# Altium PCB mib-pcb0009.PcbDoc (part 1 of 2) (continued)
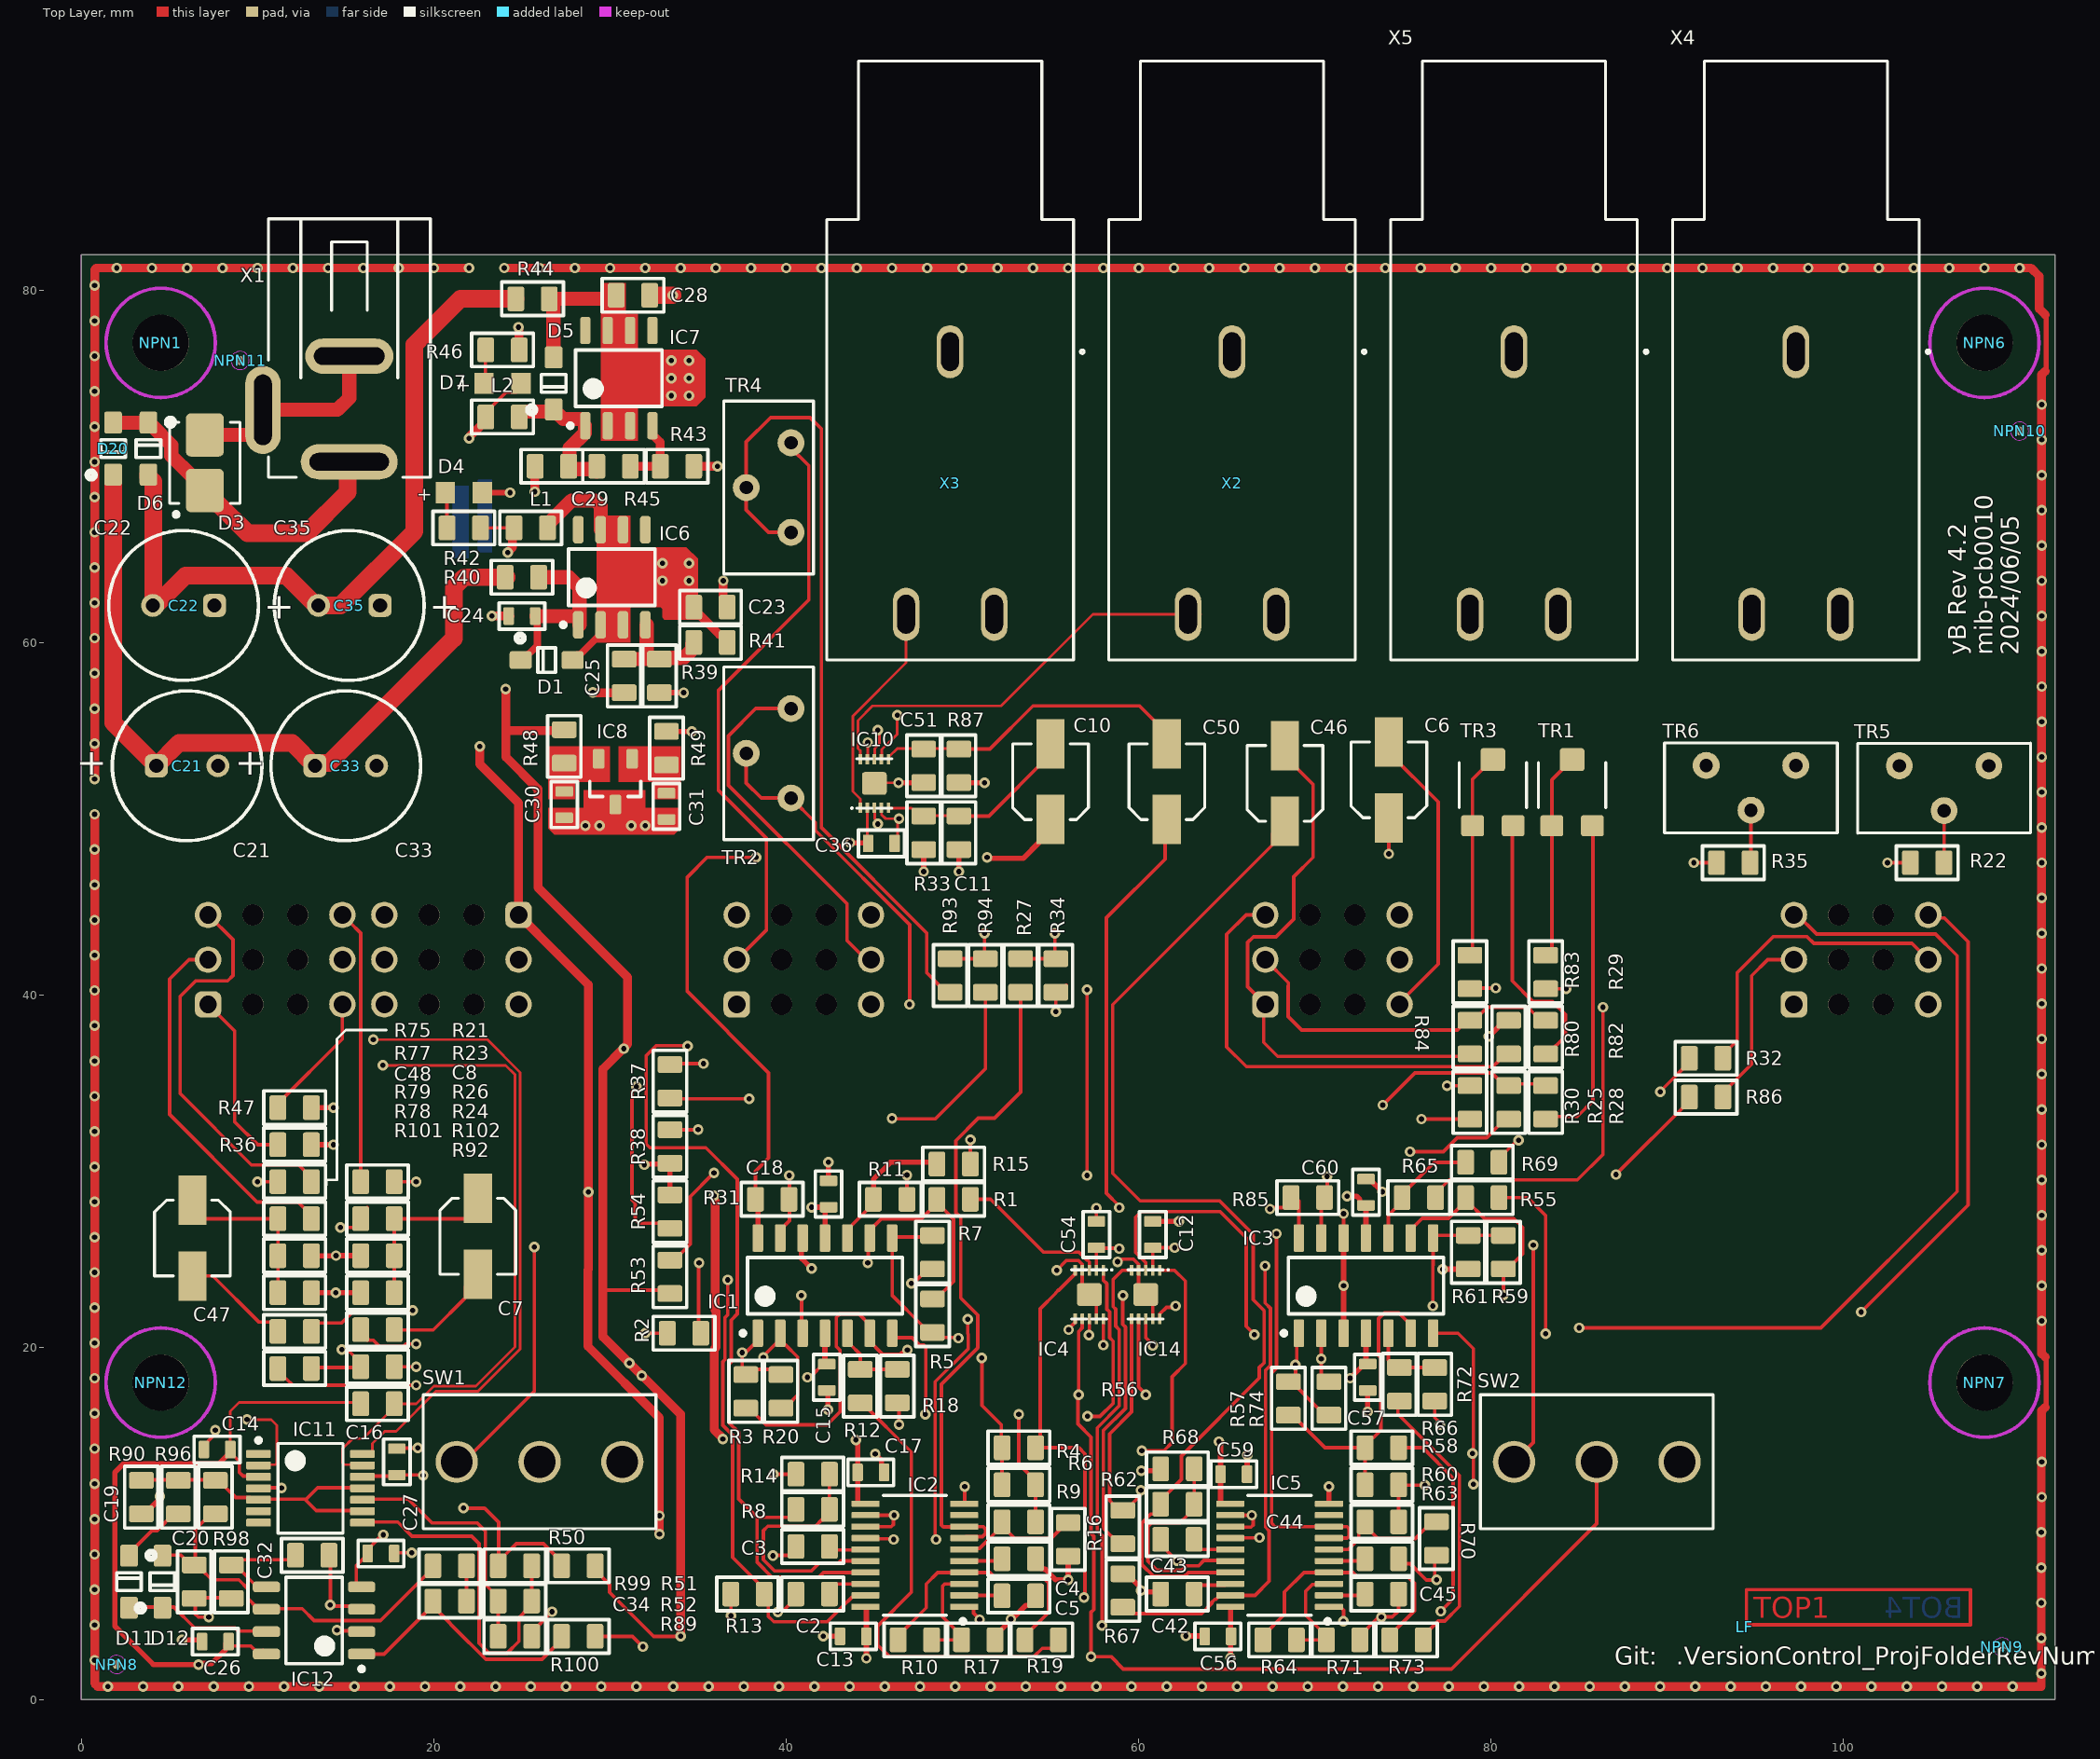
[diagram p0: Top Layer view]
## Footprints (in the part's own frame and the unit in brackets; to place one, negate y for a bottom-side part, rotate by r counter-clockwise, add the part's x,y. Pads: shape width x height; smd on the part's side, far side on the other; paste and mask are expansions set on the pad) (continued)
  rrect50% 1.55x0.6 smd: 1(-2.7,1.905) 2(-2.7,0.635) 3(-2.7,-0.635) 4(-2.7,-1.905) 5(2.7,-1.905) 6(2.7,-0.635) 7(2.7,0.635) 8(2.7,1.905)
  silkscreen extent -2.82,-2.45 1.6,2.88, body extent -3.02,-2.45 3.02,2.45, height 1.6
SOIC127P600X175-14N [mm] "SOIC, 14-Leads, Body 8,65x3,90mm, Pitch 1,27mm, IPC Medium Density"
  rrect25% 1.55x0.6 smd: 1(-2.7,3.81) 2(-2.7,2.54) 3(-2.7,1.27) 4(-2.7,0) 5(-2.7,-1.27) 6(-2.7,-2.54) 7(-2.7,-3.81) 8(2.7,-3.81) 9(2.7,-2.54) 10(2.7,-1.27) 11(2.7,0) 12(2.7,1.27) 13(2.7,2.54) 14(2.7,3.81)
  silkscreen extent -2.82,-4.4 1.6,4.78, body extent -3,-4.4 3,4.4, height 1.75
SOP65P650-20N [mm] "SOP, 16-Leads, Body 5x4.5mm, Pitch 0.65mm"
  rrect25% 1.6x0.35 smd mask+0.05: 1(-2.8,2.925) 2(-2.8,2.275) 3(-2.8,1.625) 4(-2.8,0.975) 5(-2.8,0.325) 6(-2.8,-0.325) 7(-2.8,-0.975) 8(-2.8,-1.625) 9(-2.8,-2.275) 10(-2.8,-2.925) 11(2.8,-2.925) 12(2.8,-2.275) 13(2.8,-1.625) 14(2.8,-0.975) 15(2.8,-0.325) 16(2.8,0.325) 17(2.8,0.975) 18(2.8,1.625) 19(2.8,2.275) 20(2.8,2.925)
  silkscreen extent -2.85,-3.4 1.8,3.87, body extent -2.3,-3.25 2.3,3.25, height 1.45
SOT95P280X135-3N_123 [mm] "SOT23, 3-Leads, Body 3,0x3,0mm (max), Pitch 0,95mm, IPC Medium Density"
  rrect25% 1.1x0.65 smd: 1(-1.3,0.95) 2(-1.3,-0.95) 3(1.3,0)
  silkscreen extent 0,-1.45 0.85,1.45, body extent -1.3,-1.5 1.34,1.5, height 1.08
TSOP65P640X105-14N [mm] "TSOP, 14-Leads, Body 5,00x4,40mm, Pitch 0,65mm, IPC Medium Density"
  rrect25% 1.4x0.45 smd mask+0.05: 1(-2.95,1.95) 2(-2.95,1.3) 3(-2.95,0.65) 4(-2.95,0) 5(-2.95,-0.65) 6(-2.95,-1.3) 7(-2.95,-1.95) 8(2.95,-1.95) 9(2.95,-1.3) 10(2.95,-0.65) 11(2.95,0) 12(2.95,0.65) 13(2.95,1.3) 14(2.95,1.95)
  silkscreen extent -3.07,-2.55 1.85,2.85, body extent -3.2,-2.55 3.2,2.55, height 1.05
WCAP-ATG8_D8H11.5 [mm] "Aluminum Electrolytic Capacitors, 8x11.5mm"
  round 1.3 hole 0.8: N(-1.75,0)
  rrect50% 1.3x1.3 hole 0.8: P(1.75,0)
  silkscreen extent -4.25,-4.25 4.25,4.25, body extent -3.99,-4 4,4, height 11.81
WL-SMCW_0805 [mm] "SMD Mono-color Chip LED, body 2.0x1.25mm"
  rect 1.1x1.2 smd: A(1.05,0) K(-1.05,0)
  body extent -1,-0.63 1,0.62, height 0.7

## Part data
C2 C4 C42 C44: library part CAP_1nF_630V, "Multilayer Ceramic Capacitors MLCC - SMD/SMT, C0G(NP0), 100nF", Manufacturer="Murata Electronics", Manufacturer Part Number=GRM21B5C2J102JWA3L, Tolerance=5%, Voltage Rating=630VDC, Alternatives allowed=yes
C3 C5 C43 C45: library part CAP_100nF_630V, "Multilayer Ceramic Capacitors MLCC - SMD/SMT, C0G(NP0), 1nF", Manufacturer="Murata Electronics", Manufacturer Part Number=GRM21B5C2J102JWA3L, Tolerance=5%, Voltage Rating=630VDC, Alternatives allowed=yes
C6 C7 C10 C46 C47 C50: library part CAP_4u7, "Aluminium Electrolytic Capacitors - SMD 4.7UF 16V ELECT VS BI-POLAR", Manufacturer=Panasonic, Manufacturer Part Number=EEE-1CA4R7NR, Tolerance=20%, Voltage Rating=16V, Alternatives allowed=NO
C8 C48: library part CAP_100pF_0805, "Film Capacitors 100pF 50VDC 2% PPS FILM 0805", Manufacturer=Panasonic, Manufacturer Part Number=ECH-U1H101GX5, Tolerance=2%, Voltage Rating=50V, Alternatives allowed=NO
C11 C51: library part CAP_680pF_0805, "Film Capacitors 680pF 50VDC 2% PPS FILM 0805", Manufacturer=Panasonic, Manufacturer Part Number=ECH-U1H681GX5, Tolerance=2%, Voltage Rating=50V, Alternatives allowed=NO
C12 C13 C14 C15 C16 C17 C18 C24 C26 C27 C30 C31 C36 C54 C56 C57 C59 C60: library part CAP_100nF_0603, "Multilayer Ceramic Capacitors MLCC - SMD/SMT, 100nF", JLC=C14663, Manufacturer=YAGEO, Manufacturer Part Number=CC0603KRX7R9BB104, Tolerance=10%, Voltage Rating=50VDC, Alternatives allowed=yes
C19 C23 C28 C29: library part CAP_1uF_0805, "Multilayer Ceramic Capacitors MLCC - SMD/SMT, 1uF", JLC=C28323, Manufacturer="Samsung Electro-Mechanics", Manufacturer Part Number=CL21B105KBFNNNE, Tolerance=10%, Voltage Rating=50V, Alternatives allowed=yes
C20 C32 C34: library part CAP_22u_35V_0805, "SMD, 22 µF, 35 V, 0805 [metric 2012], ± 20%, X5R, C Series TDK", JLC=C45783, Manufacturer=TDK, Manufacturer Part Number=C2012X5R1V226M125AC, Tolerance=+-20%, Voltage Rating=35V, Alternatives allowed=YES, Notes="X5R, 0805"
C21 C22 C33 C35: library part "CAP_470uF, 25V", "WCAP-ATG8 Aluminum Electrolytic Capacitor, Radial, THT, D8xH11.5, 470uF, 25V", Manufacturer="Wurth Elektronik", Manufacturer Part Number=860010474013, Tolerance=20%, Voltage Rating=50V, Alternatives allowed=YES
C25: library part CAP_10uF_0805, "Multilayer Ceramic Capacitors MLCC - SMD/SMT, 10uF", JLC=C15850, Manufacturer="Samsung Electro-Mechanics", Manufacturer Part Number=CL21A106KAYNNNE, Tolerance=10%, Voltage Rating=25V, Alternatives allowed=yes
D1 D5 D6 D20: "Diodes - General Purpose, Power, Switching SURFACE MOUNT FAST SWITCHING DIODE 2A", JLC=C81598, Manufacturer="Diodes Incorporated", Package=SOD-123, Manufacturer Part Number=1N4148W-7-F
D3: library part DIO_SMBJ18CAHE3_A/I, "ESD Suppressors / TVS Diodes 600W 18V 5% SMB (DO-214AA)", Manufacturer="Vishay General Semiconductor", Voltage Rating=18V, Alternatives allowed=YES, Manufacturer Part Number=SMBJ18CAHE3_A/I
D4 D7: library part LED_0805_RED_AK, "Standard LEDs - SMD WL-SMCW SMDMono TpVw Waterclr 0805 Red", JLC=C84256, Manufacturer="Wurth Elektronik", Manufacturer Part Number=150080RS75000, Voltage Rating=2.0, Alternatives allowed=YES
D11 D12: "75V 150mA 1.25V @ 150mA 4ns SOD-123 Switching Diode RoHS", Manufacturer=ST(Semtech), Package=SOD-123, SuppliersPartNumber=C81598, Manufacturer Part Number=1N4148W, Supplier=LC
IC1 IC3: library part IC_TL074, "Operational Amplifiers - Op Amps Dual JFET Op Amp", Manufacturer="Texas Instruments", Manufacturer Part Number=TL074CDR, Alternatives allowed=NO
IC2 IC5: library part IC_SSI2140, "Voltage Controlled Multi-Mode Filter", Manufacturer="Sound Semiconductor", Alternatives allowed=NO, Manufacturer Part Number=SSI2140
IC4 IC10 IC14: library part IC_MAX14689AETB+T, "Analogue Switch ICs Ultra-Small, Low-RON, Beyond-the-Rails™, DPDT Analog Switches", Manufacturer="Maxim Integrated", Alternatives allowed=NO, Manufacturer Part Number=MAX14689AETB+T
IC6: library part IC_LM317LIDR, "Linear Voltage Regulators", Manufacturer="Texas Instruments", Alternatives allowed=NO, Manufacturer Part Number=LM317LIDR
IC7: library part IC_LM337LMX/NOPB, "IC REG LIN POS ADJ 300MA SOT25", Manufacturer="Texas Instruments", Alternatives allowed=NO, Manufacturer Part Number=LM337LMX/NOPB
IC8: library part IC_TLV76050DBZT, "PMIC - Spannungsregler - Linear Positiv Fest 1 Ausgang 100mA SOT-23-3", Manufacturer="Texas Instruments", Alternatives allowed=NO, Manufacturer Part Number=TLV76050DBZT
IC11: library part IC_LM2901PT, "Analog Comparators Lo-Pwr Quad Voltage", Manufacturer=STMicroelectronics, Alternatives allowed=NO, Manufacturer Part Number=LM2901PT
IC12: library part IC_TL072, "Operational Amplifiers - Op Amps Dual JFET Op Amp", JLC=C6961, Manufacturer="Texas Instruments", Manufacturer Part Number=TL072CDR, Alternatives allowed=NO
L1 L2: library part FB_600R_600mA_0805, "Ferrite Beads 0805 600 OHM", JLC=C1017, Lumira Part Number=MS-1042, Manufacturer="Murata Electronics", Manufacturer Part Number=BLM21AG601SN1D, Tolerance=25%, Alternatives allowed=YES
NPN1 NPN6 NPN7 NPN12: library part NPH_3.2mm_M3
NPN2 NPN3 NPN4 NPN5 NPN8 NPN9 NPN10 NPN11: library part Fiducial_1mm
NT1: "3mm NetTie", Notes="PCB connection only"
R1 R2 R3 R4 R5 R6 R7 R8 R9 R10 R19 R20 R25 R30 R31 R33 R37 R38 R50 R53 R54 R55 R56 R57 R58 R59 R60 R61 R62 R63 R64 R73 R74 R80 R84 R85 R87: library part RES_10k_0805, "Thick Film Resistors - SMD 1/8watt 10Kohms 1% 100ppm", JLC=C17414, Manufacturer="Vishay / Dale", Manufacturer Part Number=CRCW080510K0FKEA, Tolerance=1%, Voltage Rating=150V, Alternatives allowed=YES
R11 R12 R21 R28 R34 R65 R66 R75 R82 R93: library part "0805 0R (0R0) 1%", "Chip resistor", JLC=C17477, Manufacturer="Vishay / Dale", Manufacturer Part Number=CRCW08050000Z0EAC, Tolerance=1%, Alternatives allowed=YES
R13 R14 R16 R17 R67 R68 R70 R71: library part RES_200R_0805, "Thick Film Resistors - SMD 1/8watt 200ohms 1% 100ppm", JLC=C17540, Manufacturer="Vishay / Dale", Manufacturer Part Number=CRCW0805200RFKEA, Tolerance=1%, Voltage Rating=150V, Alternatives allowed=YES
R15 R18 R69 R72: library part RES_4k99_0805, "Thick Film Resistors - SMD 1/8watt 4.99Kohms 1% 100ppm", JLC=C17677, Manufacturer="Vishay / Dale", Manufacturer Part Number=CRCW08054K99FKEA, Tolerance=1%, Voltage Rating=150V, Alternatives allowed=YES
R22 R35: library part RES_200k_0805, "Thick Film Resistors - SMD 1/8watt 200Kohms 1%", JLC=C17539, Manufacturer="Vishay / Dale", Manufacturer Part Number=CRCW0805200KFKEA, Tolerance=1%, Voltage Rating=150V, Alternatives allowed=YES
R23 R36 R47 R77: library part RES_100R_0805, "Thick Film Resistors 1/8watt 100ohms 1% 100ppm", JLC=C17408, Manufacturer="Vishay / Dale", Manufacturer Part Number=CRCW0805100RFKEA, Tolerance=1%, Voltage Rating=150V, Alternatives allowed=YES
R24 R32 R51 R78 R86: library part RES_4k7_0805, "Thick Film Resistors - SMD 1/8Watt 4.7Kohms 1% Commercial Use", JLC=C17673, Manufacturer="Vishay / Dale", Manufacturer Part Number=CRCW08054K70FKEAC, Tolerance=1%, Voltage Rating=150V, Alternatives allowed=YES
R26 R79: library part RES_220k_0805, "Thick Film Resistors - SMD 1/8watt 220Kohms 1%", JLC=C17556, Manufacturer="Vishay / Dale", Manufacturer Part Number=CRCW0805220KFKEA, Tolerance=1%, Voltage Rating=150V, Alternatives allowed=YES
R27 R94: library part RES_47k_0805, "Thick Film Resistors - SMD 1/8watt 47Kohms 1%", JLC=C17713, Manufacturer="Vishay / Dale", Manufacturer Part Number=CRCW080547K0FKEB, Tolerance=1%, Voltage Rating=150V, Alternatives allowed=YES
R29 R83 R89: library part RES_1k_0805, "Thick Film Resistors - SMD 1/8watt 1Kohms 1% 100ppm", JLC=C17513, Manufacturer="Vishay / Dale", Manufacturer Part Number=CRCW08051K00FKEA, Tolerance=1%, Voltage Rating=150V, Alternatives allowed=YES
R39 R43: library part RES_1k5_0805, "Thick Film Resistors - SMD 1.5 kOhms 125 mW 0805 1% AEC-Q200", JLC=C4310, Manufacturer=YAGEO, Manufacturer Part Number=AC0805FR-071K5L, Tolerance=1%, Voltage Rating=150V, Alternatives allowed=YES
R40 R44 R48 R49: library part RES_0R_0805, "Thick Film Resistors - SMD 1/8watt ZEROohm Jumper", JLC=C17477, Manufacturer=Vishay, Manufacturer Part Number=CRCW08050000Z0EA, Tolerance=1%, Voltage Rating=150V, Alternatives allowed=YES
R41 R45: library part RES_240R_0805, "Thick Film Resistors - SMD 1/8watt 240ohms 1%", JLC=C17572, Manufacturer="Vishay / Dale", Manufacturer Part Number=CRCW0805240RFKEA, Tolerance=1%, Voltage Rating=150V, Alternatives allowed=YES
R42 R46: library part RES_1k1_0805, "Thick Film Resistors - SMD 1/8watt 1.1Kohms 1% 100ppm", Manufacturer="Vishay / Dale", Manufacturer Part Number=CRCW08051K10FKEA, Tolerance=1%, Voltage Rating=150V, Alternatives allowed=YES
R52: library part RES_1k8_0805, "Thick Film Resistors - SMD 1/8Watt 1.8Kohms 1% Commercial Use", JLC=C17398, Manufacturer="Vishay / Dale", Manufacturer Part Number=CRCW08051K80FKEAC, Tolerance=1%, Voltage Rating=150V, Alternatives allowed=YES
R90: library part RES_75R_0805, "Thick Film Resistors - SMD 75 Ohms 125 mW 0805 1%", Manufacturer=YAGEO, Manufacturer Part Number=RC0805FR-0775RL, Tolerance=1%, Voltage Rating=150V, Alternatives allowed=YES
R92: library part RES_220R_0805, "Thick Film Resistors - SMD 1/8watt 220ohms 1% 100ppm", JLC=C17557, Manufacturer="Vishay / Dale", Manufacturer Part Number=CRCW0805220RFKEA, Tolerance=1%, Voltage Rating=150V, Alternatives allowed=YES
R96: library part RES_82k_0805, "Thick Film Resistors - SMD 82 kOhms 125 mW 0805 1%", JLC=C17840, Manufacturer=YAGEO, Manufacturer Part Number=RC0805FR-0782KL, Tolerance=1%, Voltage Rating=150V, Alternatives allowed=YES
R98: library part RES_18k_0805, "Thick Film Resistors - SMD 18kOhms 1/8W 0805 1%", JLC=C17506, Manufacturer=YAGEO, Manufacturer Part Number=RC0805FR-1018KL, Tolerance=1%, Voltage Rating=150V, Alternatives allowed=YES
R99: library part RES_39k_0805, "Thick Film Resistors - SMD 39 kOhms 125 mW 0805 1%", JLC=C25826, Manufacturer=YAGEO, Manufacturer Part Number=RC0805FR-0739KL, Tolerance=1%, Voltage Rating=150V, Alternatives allowed=YES
R100 R101 R102: library part RES_100k_0805, "Thick Film Resistors - SMD 1/8watt 100Kohms 1% 100ppm", JLC=C17407, Manufacturer="Vishay / Dale", Manufacturer Part Number=CRCW0805100KFKEA, Tolerance=1%, Voltage Rating=150V, Alternatives allowed=YES
SW1 SW2: library part SW_M2012SS1W03, "Kippschalter SPDT Panelmontage", Manufacturer="NKK Switches", Alternatives allowed=NO, Manufacturer Part Number=M2012SS1W03
TR1 TR3: library part TRIM_2k_lin, "Trimmer Resistors - SMD 2.0Kohms Sealed 3mm Sngl turn", Manufacturer=Bourns, Manufacturer Part Number=PVG3A202C01R00, Tolerance=20%
TR2 TR4 TR5 TR6: library part TRIM_10k_lin_25, "10 kOhms 0.5W, 1/2W PC Pins Through Hole Trimmer Potentiometer Cermet 25.0 Turn Top Adjustment", Manufacturer=Bourns, Manufacturer Part Number=3296Y-1-103LF, Tolerance=10%
X1: "DC Power Connectors Power Jacks, Inside Contact Diameter 2mm, Outside Contact Diameter 6,5mm", Lumira Part Number=S-QMS-SPEC-32532, Manufacturer="CUI Devices", Voltage Rating=24V, Alternatives allowed=NO, Manufacturer Part Number=PJ-002AH
X2 X3 X4 X5: library part Phone_Jack_1/4_SJ-63053A, "Telefon-Steckverbinder 6.35 mm, Stereo, Right Angle, Through Hole Mount, 3 Conductors, 0 Internal Switches, Audio Jack Connector", Manufacturer="CUI Devices", Alternatives allowed=NO, Manufacturer Part Number=SJ-63053A
X6 X7 X8 X9 X10: library part CON_SOCKET_2x3_Poti, "Printbuchse, Einführung unten, Board-to-Board, 2.54 mm, 2 Reihe(n), 4 Kontakt(e), Durchsteckmontage", Manufacturer=WE, Manufacturer Part Number=613004216921, Alternatives allowed=YES

## Via types
v1: diameter 0.6, hole 0.3, Top Layer to Bottom Layer, 389 vias

## Nets (pads, with @x,y where several pads share a name; then routed paths per layer and width w, separated by ;. In a path a pad name is that pad's centre, name@x,y a point inside that pad or via, vN(x,y) a via of type N, cw(c..) or ccw(c..) an arc to the next point about the centre after c; other vN are vias at no path point)
5V0: C12.2 C36.1 C54.2 IC4.2 IC10.2 IC14.2 R49.2 SW1.1 SW2.1 | length 36.9
  Top Layer w0.15: C36.1@44.6,48.85 IC10.2@44.6,50.525
  Top Layer w0.2: SW1.1@21.3,13.5 21.7,13.5 25.7,17.5 v1(25.7,25.7) ; IC4.2@57.6,24.375 C54.2@57.6,25.65 57.625,25.625 58.875,25.625 v1(58.9,25.6) ; IC14.2@60.8,24.375 C12.2@60.8,25.65 v1(62.05,25.65) v1@62.1,25.6 ; SW2.1@81.6,13.1 81.6,13.8 82.4,14.6 v1(82.4,25.8)
  Top Layer w0.3: R49.2@33.2,54.95 v1(34.65,54.95) ; v1(43.622,48.635) 43.64,48.618 44.632,48.618 C36.1@44.65,48.6 44.5,48.75 C36.1@44.5,48.836
9V3: C13.1 C14.2 C15.2 C26.1 C56.1 C57.2 IC1.4 IC2.20 IC3.4 IC5.20 IC11.3 IC12.8 L1.2 R37.2 R42.2 R48.1 R50.2 R53.2 R92.1 TR5.1 TR6.1 | length 141.9
  Top Layer w0.15: C14.2@8.45,14.037 C14.2@8.45,14.2 8.45,16.375 8.95,16.875 15.725,16.875 R92.1@15.8,16.8
  Top Layer w0.2: C26.1@8.412,3.188 8.55,3.05 9.607,3.05 10.025,2.632 IC12.8@10.3,2.632 ; C14.2@8.45,14.037 8.965,13.523 8.965,12.91 9.179,12.696 10.004,12.696 IC11.3@10.05,12.65 ; IC12.8@10.315,2.802 IC12.8@10.68,2.436 ; R42.2@22.65,66.5 L1.2@24.4,66.5 ; R50.2@29.15,7.6 29.15,7.365 29.981,6.534 29.981,6.092 32.473,3.6 v1(34,3.6) ; 29.6,23.25 33.2,23.25 R53.2@33.4,23.05 ; R37.2@33.4,36.05 33.45,36.1 v1(35.3,36.1) ; v1(41.2,18.3) 41.277,18.377 41.427,18.377 42.1,19.05 C15.2@42.135,19.05 ; C15.2@42.285,19.05 C15.2@42.3,19.05
  Top Layer w0.3: C26.1@8.35,3.337 8.2,3.187 8.2,2.869 7.389,2.057 6.707,2.057 v1(6.65,2) 4.084,2 1.9,4.184 1.9,12.9 2.4,13.4 7.812,13.4 C14.2@8.45,14.037 ; IC1.4@42.192,20.793 42.192,19.143 C15.2@42.285,19.05 ; IC2.20@44.525,5.275 44.55,5.25 C13.1@44.55,3.6 v1(44.55,2.35) ; IC5.20@65.2,5.275 65.225,5.25 v1(65.225,2.375) ; v1(72,18.25) 72.8,19.05 C57.2@72.9,19.05 ; IC3.4@72.9,20.8 C57.2@72.9,19.05 ; C57.2@73,19.05 C57.2@72.9,19.05
  Top Layer w0.5: v1@24.1,57.325 24.094,57.319 24.094,57.26 24.1,57.254 24.1,55 ; v1(24.2,65.1) 24.2,65.127 24.469,65.396 24.469,66.169 L1.2@24.6,66.3 ; R48.1@27.4,55 24.1,55 ; v1(30.773,36.95) v1@30.773,36.969 ; v1@30.795,36.99 v1@30.773,36.969 ; v1(31.8,18.4) 29.6,20.599 29.6,23.25 29.6,35.796 v1@30.773,36.969 ; v1@31.811,18.4 34,16.211 v1(34,3.6) ; 24.1,55 24.1,53.492 25.908,51.684 25.908,46.092 30.984,41.016 30.984,37.188 30.773,36.977 v1@30.773,36.969
  PWR w0.15: v1(30.773,36.95) 31.623,36.1 v1(35.3,36.1)
  PWR w0.3: v1(6.65,2) v1@6.7,2.05
  PWR w0.5: v1(31.8,18.4) v1@31.819,18.381 ; v1(41.2,18.3) v1@41.227,18.3 ; v1@71.948,18.225 71.973,18.25 v1(72,18.25)
  Signal_2 w0.5: v1@24.075,57.377 24.075,64.948 24.2,65.073 v1(24.2,65.1)
  other v1: 31.099,19.101 24.075,57.35
12AC: D3.K D6.2 D20.1 X1.1 | length 18.8
  Top Layer w0.8: D20.1@1.8,72.475 D6.2@3.381,72.475 ; D6.2@3.8,72.475 3.8,72.35 3.9,72.25 4.05,72.25 5.1,71.2 5.1,70.593 6.242,69.45 6.325,69.45 7,68.775 D3.K@7,68.625 ; X1.1@15.101,70.151 X1.1@15.2,70.25
  Top Layer w1: D3.K@7,68.625 7,68.475 7.575,67.9 7.725,67.9 9.425,66.2 11.45,66.2 12.782,66.2 15.101,68.519 X1.1@15.101,70.151
-9V3: C16.1 C17.2 C18.1 C19.1 C27.2 C59.2 C60.1 D7.K IC1.11 IC2.11 IC3.11 IC5.11 IC11.12 IC12.4 L2.2 R38.1 R54.1 TR5.3 TR6.3 X10.1 | length 139.9
  Top Layer w0.2: IC12.4@15.6,6.442 15.6,7.62 16.05,8.07 16.05,8.337 17.075,9.362 v1(17.125,9.362) ; IC11.12@15.95,12.687 C16.1@17.904,12.687 ; C16.1@17.904,12.787 17.929,12.763 19.373,12.763 v1(19.398,12.738) ; L2.2@22.925,73.025 24.1,74.2 24.675,74.2 D7.K@24.875,74.4
  Top Layer w0.3: C19.1@3.4,10.587 3.625,10.587 v1@4.393,11.355 ; v1(31.95,30.359) 31.996,30.404 33.196,30.404 R38.1@33.4,30.2 ; R54.1@33.4,28.75 R38.1@33.4,30.2 ; R38.1@33.4,30.45 R38.1@33.4,30.2 ; v1(41.44,27.95) C18.1@42.4,27.95 ; IC1.11@42.2,26.2 42.2,27.8 42.25,27.85 C18.1@42.3,27.85 ; v1(43.95,14.75) 43.95,14.669 44.05,14.569 C17.2@44.05,12.9 44.05,11.15 44.1,11.15 44.125,11.125 IC2.11@44.5,11.125 IC2.11@44.525,11.125 ; v1(64.55,14.65) 64.55,14.569 64.65,14.469 C59.2@64.65,12.8 64.65,11.15 64.7,11.15 64.725,11.125 IC5.11@65.2,11.125 ; v1(71.825,28.575) 72.374,28.575 72.55,28.399 72.55,28.2 72.7,28.05 C60.1@72.9,28.05 IC3.11@72.9,26.4
  Top Layer w0.5: v1(22,71.575) 22.019,71.594 22.019,71.669 22.8,72.45 L2.2@22.8,72.9 ; v1(22.6,54.1) 22.6,53.1 24.81,50.89 X10.1@24.81,44.54 27,42.35 28.765,40.585 v1(28.765,28.807) 28.765,24.419 28.743,24.398 28.743,20.057 32.8,16 v1(32.8,10.442) v1(32.8,9.4) ; v1@35.975,28.321 35.975,22.084 36.025,22.034 36.025,20.004 35.9,19.879 35.9,15.327 36.4,14.827 v1(36.4,14.8)
  PWR w0.5: v1@41.413,27.95 v1(41.44,27.95) ; v1@43.925,14.775 v1(43.95,14.75) ; v1@64.523,14.65 v1(64.55,14.65)
  Signal_2 w0.3: v1(4.45,11.537) 6.625,9.362 v1(17.125,9.362) 32.762,9.362 v1(32.8,9.4)
  Signal_2 w0.5: v1(22,71.575) 22,71.548 21.6,71.148 21.6,55.1 v1(22.6,54.1)
  other v1: 35.9,28.6
BP_Output_Left_12db: IC5.4 R64.1 R73.1 | length 14.6
  Top Layer w0.2: R64.1@67.05,3.4 67.05,3.625 68.275,4.85 68.275,6.125 69.375,7.225 IC5.4@70.8,7.225 72.166,7.225 72.441,6.95 75.305,6.95 75.65,6.605 75.65,5.046 74.625,4.021 74.625,4.01 R73.1@74.415,3.8
BP_Output_Left_24dB: C46.1 IC5.17 R62.1 | length 60.6
  Top Layer w0.2: IC5.17@64.966,7.225 62.816,7.225 62.591,7 60.85,7 60.175,7.675 60.175,10.025 60.685,10.535 60.876,10.535 61.25,10.909 R62.1@61.25,11.1 61.25,11.325 62.425,12.5 62.425,13.834 66.85,18.259 66.85,18.849 67.125,19.124 67.125,22.075 66.5,22.7 66.5,26.404 64.591,28.313 60.084,28.313 58.525,29.871 58.525,39.448 67.6,48.523 67.6,49.15 C46.1@68.3,49.85
BP_Output_Right_12db: IC2.4 R10.1 R19.1 | length 14.8
  Top Layer w0.2: R10.1@46.35,3.4 46.35,3.625 47.95,5.225 47.95,6.575 48.6,7.225 50.125,7.225 51.566,7.225 51.929,6.863 54.646,6.863 54.875,6.634 54.875,4.95 53.725,3.8 R19.1@53.5,3.8
BP_Output_Right_24dB: C6.1 IC2.17 R8.1 | length 95.7
  Top Layer w0.2: v1(34.4,37.1) 34.383,37.117 32.614,37.117 32.05,36.554 32.05,31.541 32.266,31.325 35.434,31.325 37.225,29.534 37.225,21.893 36.875,21.543 36.875,19.159 36.75,19.034 36.75,15.723 37.3,15.173 37.3,11.4 38.35,10.35 ; R8.1@40.3,10.5 40.3,10.474 40.176,10.35 38.35,10.35 ; IC2.17@44.525,7.225 42.12,7.225 41.853,6.958 39.194,6.958 38.35,7.802 38.35,10.35 ; v1(74.2,48) C6.1@74.2,50.05
  Signal_2 w0.2: v1(34.4,37.1) 35.49,38.19 35.49,44.59 37.35,46.45 50.828,46.45 53.203,48.825 73.375,48.825 v1(74.2,48)
DIR_Select: IC10.7 SW1.2 | length 73
  Top Layer w0.15: IC10.7@45.425,53.395 45.425,53.92 46.292,54.787 46.292,55.864 v1(46.303,55.875)
  Signal_2 w0.2: SW1.2@26,13.5 26,16.3 25.075,17.225 16.745,17.225 16.096,17.874 16.096,23.504 34.451,41.858 34.451,52.497 39.454,57.5 44.678,57.5 v1(46.303,55.875)
F_Control_L: IC5.7 IC5.8 R94.2 | length 59.9
  Top Layer w0.2: v1@46,32.967 48.467,32.967 51.3,35.8 R94.2@51.3,40.15 ; v1(67.825,26.45) 67.825,18.834 67.55,18.559 67.55,9.992 67.717,9.825 IC5.8@70.8,9.825 71.833,9.825 71.95,9.708 71.95,9.292 71.833,9.175 IC5.7@70.8,9.175
  Signal_2 w0.2: v1(46,33) 46,29.892 46.3,29.592 46.3,29.547 47.849,27.999 51.001,27.999 52.55,26.45 v1(67.825,26.45)
F_Control_R: IC2.7 IC2.8 R27.2 | length 37.8
  Top Layer w0.2: IC2.8@50.1,9.825 50.078,9.803 48.919,9.803 48.802,9.92 48.802,17.902 50.875,19.975 50.875,21.83 49.9,22.805 49.9,27.37 49.625,27.645 49.625,31.728 50.899,33.001 51.82,33.001 53.3,34.481 R27.2@53.3,40.15 ; IC2.7@50.125,9.175 50.2,9.25 51.13,9.25 51.3,9.42 51.3,9.708 51.183,9.825 IC2.8@50.125,9.825
Filter_Feedback_Left_12dB: R66.1 R73.2 | length 15.6
  Top Layer w0.2: R66.1@74.8,16.95 74.714,16.864 74.714,16.206 78.2,12.72 78.2,5.297 77.378,4.475 77,4.475 76.518,3.993 76.518,3.818 R73.2@76.5,3.8
Filter_Feedback_Left_24dB: R65.1 R83.1 | length 27.9
  Top Layer w0.2: R65.1@76.85,28.5 76.85,28.73 77.62,29.5 84.9,29.5 86.356,30.956 v1(86.356,39.3) ; R83.1@79,40.315 79.069,40.384 v1(80.26,40.384)
  Signal_2 w0.2: v1(80.26,40.384) 81.001,41.125 85.275,41.125 86.356,40.044 v1(86.356,39.3)
Filter_Feedback_Right_12dB: R12.1 R19.2 | length 26.7
  Top Layer w0.2: R12.1@44.2,16.85 44.308,16.85 47.1,14.058 47.1,6.1 45.183,4.183 45.183,3.108 45.841,2.45 54.059,2.45 54.528,2.919 55.219,2.919 R19.2@55.5,3.2
Filter_Feedback_Right_24dB: R11.1 R29.1 | length 57.6
  Top Layer w0.2: R11.1@46.85,28.4 v1(46.85,29.775) ; v1(57.075,29.75) v1(57.075,40.3) ; R29.1@83,40.35 v1(84.256,40.35)
  Signal_2 w0.2: v1(46.85,29.775) 57.05,29.775 v1(57.075,29.75) ; v1(57.075,40.3) 57.144,40.3 62.844,46 75.153,46 77.1,44.053 77.1,40.9 78.166,39.834 83.74,39.834 v1(84.256,40.35)
Filter_Input_Left: IC3.1 R57.1 R74.1 R101.1 | length 65.3
  Top Layer w0.15: R101.1@11.15,18.692 R101.1@11.15,18.8
  Top Layer w0.2: R101.1@11.15,18.692 11.15,18.585 11.524,18.212 11.631,18.212 11.992,17.85 16.813,17.85 v1(19,17.85) ; IC3.1@69.09,20.8 68.977,20.687 68.977,19.077 v1(68.9,19) 68.9,18.424 68.526,18.05 R57.1@68.5,18.05 68.715,18.05 69.088,17.676 69.088,17.637 69.797,16.928 70.575,16.15 R74.1@70.8,16.15
  Signal_2 w0.2: v1(19,17.85) 39.049,17.85 40.049,18.85 47.655,18.85 48.005,18.5 51.473,18.5 51.973,19 v1@69.008,19
Filter_Input_Left_24db: IC14.3 R55.2 | length 42.3
  Top Layer w0.2: IC14.3@60.4,24.375 60.4,24.809 59.825,25.384 59.825,27.383 60.142,27.7 64.625,27.7 66.1,26.225 66.1,21.2 v1(66.575,20.725) ; R55.2@80.45,28.5 82.075,28.5 83.1,27.475 v1(83.1,20.775)
  Signal_2 w0.2: v1(66.575,20.725) 66.6,20.75 83.075,20.75 v1(83.1,20.775)
Filter_Input_Right: IC1.1 R3.1 R20.1 R102.1 | length 25.2
  Top Layer w0.2: R102.1@17.75,18.9 v1(19,18.9) ; R3.1@37.7,18.425 37.5,18.625 v1(37.5,19.7) 37.577,19.777 37.777,19.777 38.125,20.125 38.19,20.125 38.363,20.298 IC1.1@38.363,20.913 ; R3.1@37.7,18.75 R20.1@39.7,18.75
  Signal_2 w0.2: v1(19,18.9) 19.751,19.651 31.327,19.651 31.428,19.55 34.362,19.55 34.512,19.7 v1(37.5,19.7)
Filter_Input_Right_24db: IC4.3 R1.2 | length 8.7
  Top Layer w0.2: R1.2@50.45,28.4 51.6,28.4 54.6,25.4 56.609,25.4 57.054,24.954 ; 57.073,24.973 57.2,24.846 IC4.3@57.2,24.375
Filter_Out_Left: IC14.8 X9.3 | length 75.1
  Top Layer w0.2: IC14.8@60.4,21.625 60.4,20.549 60.8,20.149 v1(60.8,20.1) ; v1(85,21.1) 98.709,21.1 106.45,28.841 106.45,42.224 105.226,43.448 98.473,43.448 97.381,44.54 X9.3@97.19,44.54
  Signal_2 w0.2: v1(60.8,20.1) 63.154,20.1 64.528,21.474 76.304,21.474 76.677,21.1 82.647,21.1 82.872,21.325 83.328,21.325 83.553,21.1 v1(85,21.1)
Filter_Out_Right: IC4.8 X9.6 | length 71.9
  Top Layer w0.2: v1(57.175,20.7) 57.2,20.725 IC4.8@57.2,21.625 ; v1(101,22) 107.07,28.07 107.07,43.014 105.719,44.365 104.985,44.365 X9.6@104.81,44.54
  Signal_2 w0.2: v1(57.175,20.7) 62.625,20.7 63.925,22 76.272,22 76.472,21.8 100.692,21.8 100.892,22 v1(101,22)
GND: C2.1 C3.1 C4.1 C5.1 C8.1 C11.1 C12.1 C13.2 C14.1 C15.1 C16.2 C17.1 C18.2 C20.1 C23.1 C24.1 C25.1 C26.2 C27.1 C28.1 C29.1 C30.1 C31.1 C32.1 C36.2 C42.1 C43.1 C44.1 C45.1 C48.1 C51.1 C54.1 C56.2 C57.1 C59.1 C60.2 D4.K IC1.3 IC1.12 IC2.10 IC2.12 IC2.13 IC3.3 IC3.12 IC4.4 IC4.9 IC4.11 IC5.10 IC5.12 IC5.13 IC8.3 IC10.4 IC10.9 IC10.11 IC12.3 IC14.4 IC14.9 IC14.11 NT1.1 R13.1 R14.1 R15.1 R16.1 R17.1 R18.1 R26.1 R30.1 R33.1 R36.1 R39.1 R43.1 R46.2 R47.1 R67.1 R68.1 R69.1 R70.1 R71.1 R72.1 R79.1 R84.2 R87.1 R89.1 R98.1 SW1.3 SW2.3 X2.1 X3.1 X4.1 X5.1 X9.1 X9.4 | length 449
  Top Layer w0.15: IC10.9@44.625,53.395 v1(44.625,54.32) ; IC10.11@45.025,52.02 45.037,52.032 v1(46.375,52.032) ; IC10.4@45.4,50.625 45.411,50.614 45.411,50.232 45.642,50 v1(46.4,50) 46.314,49.914 46.314,48.964 C36.2@46.15,48.8
  Top Layer w0.2: C20.1@6.435,5.787 R98.1@8.2,5.787 ; C20.1@6.454,5.696 6.454,4.871 6.629,4.696 v1@7.217,4.696 ; C26.2@6.65,3.4 C26.2@6.775,3.525 ; C14.1@6.95,14.237 6.95,14.437 7.523,15.011 7.523,15.223 v1(7.6,15.3) ; C32.1@14.05,8.237 14.125,8.162 v1(14.125,5.387) 14.202,5.311 15.562,5.311 IC12.3@15.7,5.172 ; C27.1@17.75,8.337 v1(18.755,8.337) ; C16.2@17.904,14.287 v1(19.098,14.287) ; R89.1@25.55,3.6 25.55,3.825 26.711,4.986 v1(26.711,4.999) ; v1(36.859,4.764) R13.1@36.859,5.859 ; v1(39.25,8.175) 39.272,8.197 40.411,8.197 40.433,8.175 40.55,8.292 C3.1@40.55,8.7 ; v1(39.27,12.8) R14.1@40.55,12.8 ; v1(39.525,4.975) 39.602,5.052 39.827,5.052 40.55,5.775 C2.1@40.55,6 ; v1@40.85,22.95 v1(40.865,22.935) IC1.3@40.865,20.875 ; v1@42.075,3.575 v1(42.1,3.6) ; IC2.13@44.525,9.825 45.959,9.825 46.076,9.942 46.076,10.426 v1(46.125,10.475) IC2.12@44.525,10.475 ; R18.1@46.3,16.85 46.398,16.752 v1(46.398,15.615) ; IC2.10@50.125,11.125 v1(50.125,12.1) v1@50.15,12.125 ; R15.1@50.45,30.4 v1(50.45,31.775) ; v1(55.35,24.375) 55.9,24.925 56.589,24.925 56.8,24.714 IC4.4@56.8,24.375 56.8,23.4 IC4.11@57.2,23 57.6,22.6 IC4.9@57.6,21.625 ; C54.1@57.6,27.15 v1(57.6,27.9) ; v1(58.808,24.856) 58.916,24.856 59.06,25 59.714,25 60,24.714 IC14.4@60,24.375 60,23.4 IC14.11@60.4,23 60.8,22.6 IC14.9@60.8,21.625 ; C43.1@61.466,8.6 61.515,8.6 61.613,8.501 61.613,8.453 62.166,7.9 v1(62.175,7.9) ; v1@62.65,3.6 v1(62.675,3.625) ; IC5.13@65.2,9.825 65.225,9.8 66.383,9.8 66.5,9.917 66.5,10.4 v1(66.425,10.475) IC5.12@65.2,10.475 ; IC3.12@71.63,26.2 v1(71.63,27.58) v1@71.675,27.625 ; R71.1@72.55,3.4 72.55,3.625 73.548,4.623 73.698,4.623 v1(73.775,4.7) 74.4,4.7 74.75,5.05 C45.1@74.75,6 ; C60.2@72.9,29.55 C60.2@73.1,29.55 ; C44.1@74.75,8 75.033,7.717 75.408,7.717 76.325,6.8 v1(76.9,6.8) 76.9,6.908 76.8,7.008 76.8,8.1 R70.1@76.9,8.2 ; R72.1@76.8,16.95 76.8,16.008 77.1,15.708 v1(77.1,15.6) ; v1(77.5,34.85) R30.1@78.8,34.85 ; R69.1@80.45,30.5 80.45,30.715 81.488,31.753 v1(81.563,31.753)
  Top Layer w0.3: v1(5.7,3.4) C26.2@6.65,3.4 ; C20.1@6.4,5.75 C20.1@6.454,5.696 ; v1@7.217,4.696 v1(7.225,4.687) ; C48.1@13.048,25.196 14.441,25.196 v1(14.445,25.2) C8.1@15.85,25.2 ; R79.1@13.05,23.1 14.394,23.1 v1(14.441,23.1) R26.1@15.85,23.1 ; R36.1@13.05,31.5 v1(14.3,31.5) ; R47.1@13.05,33.6 v1(14.3,33.6) ; D4.K@22.75,68.5 v1@24.3,68.5 ; v1(29.025,57.175) v1@29.05,57.15 ; R39.1@32.825,57.15 v1(34.181,57.15) ; C23.1@36.475,62 C23.1@36.487,61.988 ; IC1.12@40.865,26.275 40.865,25.045 v1(41.44,24.47) ; v1(42.1,3.6) C13.2@43.05,3.6 ; C15.1@42.3,17.55 42.373,17.477 v1(42.373,16.465) ; C18.2@42.4,29.45 v1(42.4,30.5) ; v1@45.125,13.95 45.125,13.869 45.4,13.594 45.4,13.05 C17.1@45.55,12.9 ; v1(46.375,52.032) 46.379,52.029 47.796,52.029 C51.1@47.8,52.025 ; v1(47.8,47) R33.1@47.8,48.25 R33.1@47.8,48.27 ; v1(49.8,47) C11.1@49.8,48.25 C11.1@49.8,48.27 ; R87.1@49.8,52.032 v1(51.253,52.032) ; R17.1@51.85,3.4 51.85,3.625 52.75,4.525 v1(52.75,4.575) 52.825,4.575 53.6,5.35 53.825,5.35 54.15,5.675 C5.1@54.15,5.9 ; C4.1@54.15,8 54.15,7.775 54.475,7.45 54.601,7.45 54.651,7.4 54.7,7.4 55.3,6.8 v1(56,6.8) 56,8 R16.1@56.2,8.2 ; R67.1@59.1,7.15 59.325,7.15 60.068,6.407 60.068,6.182 60.125,6.125 61.225,6.125 C42.1@61.25,6.1 ; v1(60.15,13) 60.925,13 61.25,12.675 R68.1@61.25,12.6 ; C12.1@60.8,27.15 v1(62.281,27.15) ; v1(62.675,3.625) C56.2@63.725,3.625 ; C59.1@66.15,12.8 66.156,12.806 66.156,13.891 v1(66.162,13.897) ; IC5.10@70.8,11.125 v1(70.8,12.1) ; IC3.3@71.63,20.8 v1(71.63,23.5) IC3.12@71.63,26.2 ; v1(73,16.344) C57.1@73,17.55 ; C60.2@73.1,29.55 v1(73.825,28.825) ; v1(79.874,37.65) 80.775,38.55 R84.2@81,38.55 ; 111.45,16.6 111.5,16.65 111.5,19.4 111.45,19.45 ; 111.45,75.4 111.45,75.5 111.5,75.55 111.5,78.45 111.45,78.5 111.45,78.6
  Top Layer w0.5: v1(0.75,50.25) v1(0.75,48.25) v1(0.75,46.25) v1(0.75,44.25) v1(0.75,42.25) v1(0.75,40.25) v1(0.75,38.25) v1(0.75,36.25) v1(0.75,34.25) v1(0.75,32.25) v1(0.75,30.25) v1(0.75,28.25) v1(0.75,26.25) v1(0.75,24.25) v1(0.75,22.25) v1(0.75,20.25) v1(0.75,18.25) v1(0.75,16.25) v1(0.75,14.25) v1(0.75,12.25) v1(0.75,10.25) v1(0.75,8.25) v1(0.75,6.25) v1(0.75,4.25) 0.75,0.926 0.926,0.75 v1(1.5,0.75) ; v1@1.65,0.75 v1(3.5,0.75) v1(5.5,0.75) v1(7.5,0.75) v1(9.5,0.75) v1(11.5,0.75) v1(13.5,0.75) v1(15.5,0.75) v1(17.5,0.75) v1(19.5,0.75) v1(21.5,0.75) v1(23.5,0.75) v1(25.5,0.75) v1(27.5,0.75) v1(29.5,0.75) v1(31.5,0.75) v1(33.593,0.75) v1(35.593,0.75) v1(37.593,0.75) v1(39.593,0.75) v1(41.593,0.75) v1(43.593,0.75) v1(45.593,0.75) v1(47.593,0.75) v1(49.593,0.75) v1(51.593,0.75) v1(53.593,0.75) v1(55.593,0.75) v1(57.593,0.75) v1(59.593,0.75) v1(61.593,0.75) v1(63.593,0.75) v1(65.593,0.75) v1(67.593,0.75) v1(69.593,0.75) v1(71.593,0.75) v1(73.593,0.75) v1(75.593,0.75) v1(77.593,0.75) v1(79.593,0.75) v1(81.593,0.75) v1(83.593,0.75) v1(85.593,0.75) v1(87.593,0.75) v1(89.593,0.75) v1(91.593,0.75) v1(93.593,0.75) v1(95.593,0.75) v1(97.593,0.75) v1(99.593,0.75) v1(101.593,0.75) v1(103.593,0.75) v1(105.593,0.75) v1(107.593,0.75) v1(109.593,0.75) 111.225,0.75 v1(111.225,1.5) v1(111.225,3.5) v1(111.225,5.5) v1(111.225,7.5) v1(111.225,9.5) 111.225,13.475 v1(111.25,13.5) 111.25,16.4 111.45,16.6 ; v1(23.3,61.5) C24.1@24.25,61.5 C24.1@24.325,61.5 ; v1(24,81.25) v1(26,81.25) v1(28,81.25) v1(30,81.25) v1(32,81.25) v1(34,81.25) v1(36,81.25) v1(38,81.25) v1(40,81.25) v1(42,81.25) v1(44,81.25) v1(46,81.25) v1(48,81.25) v1(50,81.25) v1(52,81.25) v1(54,81.25) v1(56,81.25) v1(58,81.25) v1(60,81.25) v1(62,81.25) v1(64,81.25) v1(66,81.25) v1(68,81.25) v1(70,81.25) v1(72,81.25) v1(74,81.25) v1(76,81.25) v1(78,81.25) v1(80,81.25) v1(82,81.25) v1(84,81.25) v1(86,81.25) v1(88,81.25) v1(90,81.25) v1(92,81.25) v1(94,81.25) v1(96,81.25) v1(98,81.25) v1(100,81.25) v1(102,81.25) v1(104,81.25) v1(106,81.25) v1(108,81.25) v1(110,81.25) 110.64,81.25 111.107,80.783 111.107,78.943 111.45,78.6 ; R46.2@24.812,76.687 24.831,76.706 24.831,77.875 v1(24.812,77.894) ; v1(25.725,68.55) C29.1@25.725,70 ; v1@29.05,57.15 C25.1@30.775,57.15 ; R43.1@34.75,70 v1(36.09,70) ; C23.1@36.425,62 v1(36.425,63.5) ; 111.45,19.45 111.25,19.65 v1(111.25,21.5) v1(111.25,23.5) v1(111.25,25.5) v1(111.25,27.5) v1(111.25,29.5) v1(111.25,31.5) v1(111.25,33.5) v1(111.25,35.5) v1(111.25,37.5) v1(111.25,39.5) v1(111.25,41.5) v1(111.25,43.5) v1(111.25,45.5) v1(111.25,47.5) v1(111.25,49.5) v1(111.25,51.5) v1(111.25,53.5) v1(111.25,55.5) v1(111.25,57.5) v1(111.25,59.5) v1(111.25,61.5) v1(111.25,63.5) v1(111.25,65.5) v1(111.25,67.5) v1(111.25,69.5) v1(111.25,71.5) v1(111.25,73.5) 111.25,75.2 111.45,75.4
  Top Layer w1: C28.1@32.7,79.7 v1(33.55,79.7)
  other v1: 0.75,2.25 60.125,6.2 111.25,11.5 45.05,13.95 28.6,49.6 29.4,49.6 31.2,49.6 32,49.6 24.331,68.5